# Altium PCB waffling80-ALPS-north.PcbDoc (part 1 of 3) (continued)
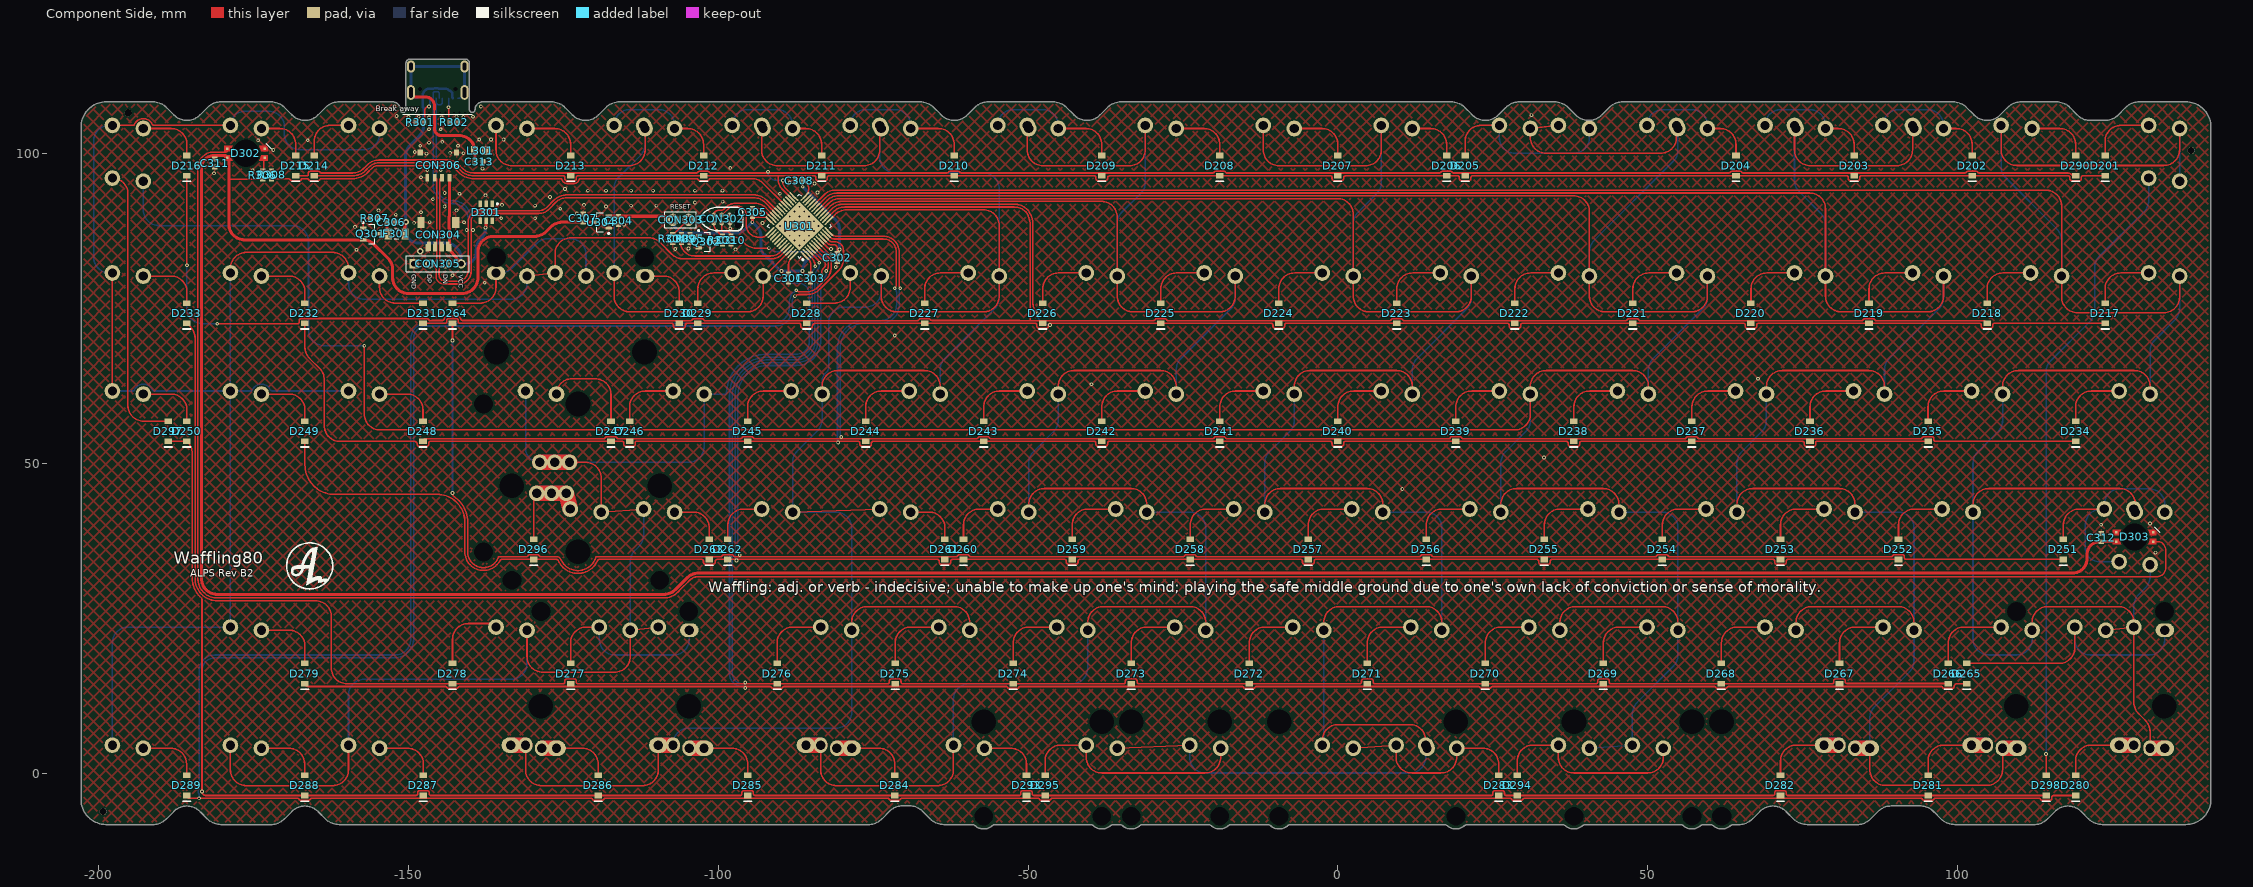
[diagram p0: Component Side view]
## Components (designator, comment, footprint, x,y, rotation, side; value= is the part's Value field where it differs from the comment) (continued)
S203_1 "MX" Alps-switch#1 76.199,100.012 r180 bottom locked
S204 "MX" "Alps-switch - switched pol" 52.387,100.012 r180 bottom locked
S204_1 "MX" Alps-switch#1 57.149,100.012 r180 bottom locked
S205 "MX" "Alps-switch - switched pol" 28.574,100.012 r180 bottom locked
S205_1 "MX" Alps-switch#1 38.099,100.012 r180 bottom locked
S206 "MX" Alps-switch#1 9.524,100.012 r180 bottom locked
S207 "MX" Alps-switch#1 -9.526,100.012 r180 bottom locked
S208 "MX" Alps-switch#1 -28.576,100.012 r180 bottom locked
S209 "MX" "Alps-switch - switched pol" -52.389,100.012 r180 bottom locked
S209_1 "MX" Alps-switch#1 -47.626,100.012 r180 bottom locked
S210 "MX" Alps-switch#1 -71.439,100.012 r180 bottom locked
S210_1 "MX" "Alps-switch - switched pol" -76.201,100.012 r180 bottom locked
S211 "MX" Alps-switch#1 -90.489,100.012 r180 bottom locked
S211_1 "MX" "Alps-switch - switched pol" -95.251,100.012 r180 bottom locked
S212 "MX" Alps-switch#1 -109.539,100.012 r180 bottom locked
S212_1 "MX" "Alps-switch - switched pol" -114.301,100.012 r180 bottom locked
S213 "MX" Alps-switch#1 -133.351,100.012 r180 bottom locked
S214 "MX" "Alps-switch - switched pol" -157.162,100.012 r180 bottom
S215 "MX" Alps-switch#1 -176.213,100.012 r180 bottom locked
S216 "MX" Alps-switch#1 -195.262,100.012 r180 bottom
S217 "MX" "Alps-switch - switched pol" 133.349,76.2 r180 bottom locked
S218 "MX" "Alps-switch - switched pol" 114.299,76.2 r180 bottom locked
S219 "MX" "Alps-switch - switched pol" 95.249,76.2 r180 bottom locked
S220 "MX" "Alps-switch - switched pol" 76.199,76.2 r180 bottom locked
S221 "MX" "Alps-switch - switched pol" 57.149,76.2 r180 bottom locked
S222 "MX" "Alps-switch - switched pol" 38.099,76.2 r180 bottom locked
S223 "MX" "Alps-switch - switched pol" 19.049,76.2 r180 bottom locked
S224 "MX" "Alps-switch - switched pol" -0.001,76.2 r180 bottom locked
S225 "MX" "Alps-switch - switched pol" -19.051,76.2 r180 bottom locked
S226 "MX" "Alps-switch - switched pol" -38.101,76.2 r180 bottom locked
S227 "MX" "Alps-switch - switched pol" -57.151,76.2 r180 bottom locked
S228 "MX" "Alps-switch - switched pol" -76.201,76.2 r180 bottom locked
S229 "MX" "Alps-switch - switched pol" -95.251,76.2 r180 bottom locked
S230 "MX" Alps-switch#2 -114.301,76.2 r180 bottom locked
S231 "MX" Alps-switch#1 -157.162,76.2 r180 bottom locked
S232 "MX" Alps-switch#1 -176.213,76.2 r180 bottom locked
S233 "MX" Alps-switch#1 -195.262,76.2 r180 bottom locked
S234 "MX" "Alps-switch - switched pol" 128.587,57.15 r180 bottom locked
S235 "MX" "Alps-switch - switched pol" 104.774,57.15 r180 bottom locked
S236 "MX" "Alps-switch - switched pol" 85.724,57.15 r180 bottom locked
S237 "MX" "Alps-switch - switched pol" 66.674,57.15 r180 bottom locked
S238 "MX" "Alps-switch - switched pol" 47.624,57.15 r180 bottom locked
S239 "MX" "Alps-switch - switched pol" 28.574,57.15 r180 bottom locked
S240 "MX" "Alps-switch - switched pol" 9.524,57.15 r180 bottom locked
S241 "MX" "Alps-switch - switched pol" -9.526,57.15 r180 bottom locked
S242 "MX" "Alps-switch - switched pol" -28.576,57.15 r180 bottom locked
S243 "MX" "Alps-switch - switched pol" -47.626,57.15 r180 bottom locked
S244 "MX" "Alps-switch - switched pol" -66.676,57.15 r180 bottom locked
S245 "MX" "Alps-switch - switched pol" -85.726,57.15 r180 bottom locked
S246 "MX" "Alps-switch - switched pol" -104.776,57.15 r180 bottom locked
S247 "MX" Alps-switch#1 -128.588,57.15 r180 bottom locked
S248 "MX" Alps-switch#1 -157.162,57.15 r180 bottom locked
S249 "MX" Alps-switch#1 -176.213,57.15 r180 bottom locked
S250 "MX" Alps-switch#1 -195.262,57.15 r180 bottom locked
S251 "MX" "ALPS-switch - CAPS" 126.206,38.1 r180 bottom
S252 "MX" "Alps-switch - switched pol" 100.012,38.1 r180 bottom locked
S253 "MX" "Alps-switch - switched pol" 80.962,38.1 r180 bottom locked
S254 "MX" "Alps-switch - switched pol" 61.912,38.1 r180 bottom locked
S255 "MX" "Alps-switch - switched pol" 42.862,38.1 r180 bottom locked
S256 "MX" "Alps-switch - switched pol" 23.812,38.1 r180 bottom locked
S257 "MX" "Alps-switch - switched pol" 4.762,38.1 r180 bottom locked
S258 "MX" "Alps-switch - switched pol" -14.288,38.1 r180 bottom locked
S259 "MX" "Alps-switch - switched pol" -33.338,38.1 r180 bottom locked
S260 "MX" "Alps-switch - switched pol" -52.388,38.1 r180 bottom locked
S261 "MX" Alps-switch#1 -71.438,38.1 r180 bottom locked
S262 "MX" "Alps-switch - switched pol" -90.488,38.1 r180 bottom locked
S263 "MX" Alps-switch#1 -109.538,38.1 r180 bottom locked
S264 "MX" "ALPS-switch - backspace" -123.826,76.2 r180 bottom locked
S265 "MX" "ALPS-switch - Left shift v2" 121.443,19.05 r180 bottom locked
S266 "MX" "Alps-switch - switched pol" 109.539,19.05 r180 bottom locked
S267 "MX" "Alps-switch - switched pol" 90.487,19.05 r180 bottom locked
S268 "MX" "Alps-switch - switched pol" 71.437,19.05 r180 bottom locked
S269 "MX" "Alps-switch - switched pol" 52.387,19.05 r180 bottom locked
S270 "MX" "Alps-switch - switched pol" 33.337,19.05 r180 bottom locked
S271 "MX" "Alps-switch - switched pol" 14.287,19.05 r180 bottom locked
S272 "MX" "Alps-switch - switched pol" -4.763,19.05 r180 bottom locked
S273 "MX" "Alps-switch - switched pol" -23.813,19.05 r180 bottom locked
S274 "MX" "Alps-switch - switched pol" -42.862,19.05 r180 bottom locked
S275 "MX" "Alps-switch - switched pol" -61.913,19.05 r180 bottom locked
S276 "MX" "Alps-switch - switched pol" -80.963,19.05 r180 bottom locked
S277 "MX" "ALPS-switch - right shift - stabs" -116.682,19.05 r180 bottom locked
S278 "MX" "Alps-switch - switched pol" -133.351,19.05 r180 bottom locked
S279 "MX" Alps-switch#1 -176.213,19.05 r180 bottom locked
S280 "MX" "ALPS-switch - 1.5u MOD-L" 128.587,0 r180 bottom locked
S281 "MX" "ALPS-switch - L_WIN - V3" 104.775,0 r180 bottom
S282 "MX" "ALPS-SWITCH - L_ALT - V3" 80.962,0 r180 bottom
S283 "MX" "ALPS-switch - Space_V3" 0,0 r180 bottom locked
S284 "MX" "ALPS-SWITCH - R_ALT - V3" -80.962,0 r180 bottom
S285 "MX" "ALPS-switch - R_WIN V3" -104.775,0 r180 bottom
S286 "MX" "ALPS-switch - 1.5u MOD-R" -128.588,0 r180 bottom locked
S287 "MX" Alps-switch#1 -157.162,0 r180 bottom locked
S288 "MX" Alps-switch#1 -176.213,0 r180 bottom locked
S289 "MX" Alps-switch#1 -195.262,0 r180 bottom locked
S290 "MX" Alps-switch#1 109.537,100.012 r180 bottom locked
S293 "MX" Alps-switch#1 -59.532,0 r180 bottom locked
S294 "MX" "ALPS-switch - 3U - rotated stab" 38.1,0 r180 bottom locked
S294_1 "MX" "ALPS-switch - 2.25U - rotated stab" 50.038,0 r180 bottom locked
S295 "MX" "ALPS-switch - 3U - rotated stab" -38.1,0 r180 bottom locked
S295_1 "MX" "ALPS-switch - 2.75U - Rotated stab" -21.4,0 r180 bottom locked
S296 "MX" "ALPS-switch - Enter" -121.362,38.1 r180 bottom locked
S297 "MX" Alps-switch#1 -195.262,100.012 r0 bottom
S298 "MX" Alps-switch#3 133.349,100.012 r0 bottom
U301 "STM32F072/F303_LQFP48" "STM32 - COMBO 7X7MM" -86.894,88.262 r45 top locked
U304 "XC6206P332MR" SOT-23-3 -118.864,88.9 r0 top

## Footprints (in the part's own frame and the unit in brackets; to place one, negate y for a bottom-side part, rotate by r counter-clockwise, add the part's x,y. Pads: shape width x height; smd on the part's side, far side on the other; paste and mask are expansions set on the pad)
Alps-switch#1 [mm]
  round 2.54 hole 1.499 mask+0.102: 1(-2.5,4) 2(2.5,4.5)
  round 1 on Mech14: ""(0,0)
Alps-switch#2 [mm]
  oval 3x2.2 hole 1.499 mask+0.102: 1(-2.5,4)
  round 2.54 hole 1.499 mask+0.102: 2(2.5,4.5)
  round 1 on Mech14: ""(0,0)
Alps-switch#3 [mm]
  round 2.54 hole 1.5 mask+0.102: 1(-2.5,4) 2(2.5,4.5)
  round 1 on Mech14: ""(0,0)
"ALPS-switch - 1.5u MOD-L" [mm]
  oval 3x2.54 hole 1.499 mask+0.102: 1(-4.881,4) 2(2.5,4.5)
  oval 2.2x2.54 hole 1.499 mask+0.102: 1(-2.5,4) 2(0.119,4.5)
  round 1 on Mech14: ""(-2.381,0) ""(0,0)
"ALPS-switch - 1.5u MOD-R" [mm]
  oval 3x2.54 hole 1.499 mask+0.102: 1(-2.5,4) 2(4.881,4.5)
  oval 2.2x2.54 hole 1.499 mask+0.102: 1(-0.119,4) 2(2.5,4.5)
  round 1 on Mech14: ""(0,0) ""(2.381,0)
"ALPS-switch - 2.25U - rotated stab" [mil]
  round 100 hole 59 mask+4.02: 1(-98.43,157.48)
  round 100 hole 59 mask+4: 2(98.43,177.17)
  round 60 hole 120 unplated: ""(-470,-275) ""(470,-275)
  round 60 hole 157.01 unplated: ""(-470,325) ""(470,325)
  round 39.37 on Mech14: ""(0,0)
"ALPS-switch - 2.75U - Rotated stab" [mil]
  round 100 hole 59 mask+4: 1(-98.43,157.48) 2(98.43,177.17)
  round 60 hole 120 unplated: ""(-470,-275) ""(470,-275)
  round 60 hole 157.01 unplated: ""(-470,325) ""(470,325)
  round 39.37 on Mech14: ""(0,0)
"ALPS-switch - 3U - rotated stab" [mil]
  round 100 hole 59 mask+4.02: 1(-98.43,157.48) 2(98.43,177.17)
  round 60 hole 120 unplated: ""(-750,-275) ""(750,-275)
  round 60 hole 157.01 unplated: ""(-750,325) ""(750,325)
  round 39.37 on Mech14: ""(0,0)
"ALPS-switch - backspace" [mil]
  round 100 hole 59 mask+4: 1(98.43,177.17) 1(276.57,157.48) 2(-98.43,157.48)
  oval 118.11x86.61 hole 59 mask+4: 2(473.43,177.17)
  round 60 hole 157.01 unplated: ""(-470,-325) ""(470,-325)
  round 60 hole 120 unplated: ""(-470,275) ""(470,275)
  round 39.37 on Mech14: ""(0,0) ""(375,0)
"ALPS-switch - CAPS" [mm]
  round 2.54 hole 1.499 mask+0.102: 1(-7.263,4) 1(0.119,-4) 1(2.5,4.5) 2(-4.881,-4.5) 2(-2.5,4) 2(-2.262,4.5)
  round 1 on Mech14: ""(-4.763,0) ""(-2.381,0) ""(0,0)
"ALPS-switch - Enter" [mil]
  round 100 hole 59 mask+4: 1(-98.43,157.48) 1(104.28,473.62) 1(198.03,473.62) 1(291.78,473.62) 2(98.43,177.17) 2(123.97,276.77) 2(217.72,276.77) 2(311.47,276.77)
  round 60 hole 120 unplated: ""(-470,-275) ""(470,-275) ""(650.2,-94.8) ""(650.2,845.2)
  round 60 hole 157.01 unplated: ""(-470,325) ""(50.2,-94.8) ""(50.2,845.2) ""(470,325)
  round 39.37 on Mech14: ""(0,0) ""(281.45,375.2) ""(375.2,375.2) ""(468.95,375.2)
"ALPS-SWITCH - L_ALT - V3" [mm]
  oval 3x2.54 hole 1.499 mask+0.102: 1(-4.881,4) 2(2.5,4.5)
  oval 2.2x2.54 hole 1.499 mask+0.102: 1(-2.5,4) 2(0.119,4.5)
  round 1 on Mech14: ""(-2.381,0.048) ""(0,0) ""(4.763,0)
"ALPS-switch - L_WIN - V3" [mm]
  oval 3x2.54 hole 1.499 mask+0.102: 1(-4.881,4) 2(2.5,4.5)
  oval 2.2x2.54 hole 1.499 mask+0.102: 1(-2.5,4) 2(0.119,4.5)
  round 1 on Mech14: ""(-2.381,0) ""(0,0) ""(2.381,0)
"ALPS-switch - Left shift v2" [mil]
  oval 118.11x86.61 hole 59 mask+4.02: 1(-473.43,157.48)
  round 100 hole 59 mask+4.02: 1(98.43,177.17) 2(-276.57,177.17) 2(-98.43,157.48)
  round 60 hole 157.01 unplated: ""(-470,-325) ""(470,-325)
  round 60 hole 120 unplated: ""(-470,275) ""(470,275)
  round 39.37 on Mech14: ""(-375,0) ""(0,0)
"ALPS-SWITCH - R_ALT - V3" [mm]
  oval 3x2.54 hole 1.499 mask+0.102: 1(-2.5,4) 2(4.881,4.5)
  oval 2.2x2.54 hole 1.499 mask+0.102: 1(-0.119,4) 2(2.5,4.5)
  round 1 on Mech14: ""(-4.763,0) ""(0,0) ""(2.381,0)
"ALPS-switch - R_WIN V3" [mm]
  oval 3x2.54 hole 1.499 mask+0.102: 1(-2.5,4) 2(4.881,4.5)
  oval 2.2x2.54 hole 1.499 mask+0.102: 1(-0.119,4) 2(2.5,4.5)
  round 1 on Mech14: ""(-2.381,0) ""(0,0) ""(2.381,0)
"ALPS-switch - right shift - stabs" [mil]
  round 100 hole 59 mask+4: 1(-276.57,177.17) 1(-98.43,157.48) 2(98.43,177.17)
  oval 118.11x86.61 hole 59 mask+4: 2(-473.43,157.48)
  round 60 hole 157.01 unplated: ""(-470,-325) ""(470,-325)
  round 60 hole 120 unplated: ""(-470,275) ""(470,275)
  round 39.37 on Mech14: ""(-375,0) ""(0,0)
"ALPS-switch - Space_V3" [mil]
  round 100 hole 59 mask+4: 1(-754.97,157.48) 1(-370.32,177.17) 1(-98.43,157.48) 2(-567.18,157.48) 2(-558.12,177.17) 2(98.43,177.17)
  round 60 hole 120 unplated: ""(-2437.4,-275) ""(-2250,-275) ""(1499.61,-275) ""(2250,-275)
  round 60 hole 157.01 unplated: ""(-2437.4,325) ""(-2250,325) ""(1499.61,325) ""(2250,325)
  round 39.37 on Mech14: ""(-656.55,0) ""(-468.75,0) ""(0,0)
"Alps-switch - switched pol" [mm]
  round 2.54 hole 1.499 mask+0.102: 1(2.5,4.5) 2(-2.5,4)
  round 1 on Mech14: ""(0,0)
C0603[1608] [mm] "Chip Resistor, 2-Leads, Body 1,57x0,80mm, IPC Medium Density"
  rect 0.8x0.85 smd: 1(-0.65,0) 2(0.65,0)
  body extent -0.83,-0.43 0.82,0.43, height 0.5
C1206[3216] [mm]
  rect 1.2x1.8 smd: 1(-1.35,0) 2(1.35,0)
  silkscreen extent -0.35,-0.8 0.35,0.8, body extent -1.6,-0.9 1.6,0.9, height 1.2
HDR1X2 [mm] "Connector; Header; 2 Position"
  round 2 hole 0.9 mask+0.102: 1(0,0) 2(2.54,0)
  silkscreen extent -1.27,-1.27 3.81,1.27
HDR1X4 [mm] "Connector; Header; 4 Position"
  round 1.5 hole 0.9 mask+0.102: 1(0,0) 2(2.54,0) 3(5.08,0)
  rect 1.5x1.5 hole 0.9 mask+0.102: 4(7.62,0)
  silkscreen extent -1.27,-1.27 8.89,1.27
L0805 [mm] "based on Sunlord-GZ2012D101TF_C1015 datasheet"
  rect 1.16x1.47 smd: 1(-0.92,0) 2(0.92,0)
  body extent -1.15,-0.72 1.15,0.72, height 1.02
"Molex 781710004" [mm]
  rect 0.6x1.2 smd: 1(-1.8,2.2) 2(-0.6,2.2) 3(0.6,2.2) 4(1.8,2.2)
  rect 0.85x1 smd: 5(-2.94,-1.887) 5(2.94,-1.887)
  body extent -3.3,-2.05 3.3,2.48, height 1.5
R0603[1608] [mm] "Chip Resistor, 2-Leads, Body 1,57x0,80mm, IPC Medium Density"
  rect 0.8x0.85 smd: 1(-0.65,0) 2(0.65,0)
  body extent -0.83,-0.43 0.82,0.43, height 0.5
"SK6812MINI-E - shaped" [mm]
  rect 0.4x0.4 smd: 1(3,0.75) 2(3,-0.75) 3(-3,-0.75) 4(-3,0.75)
  round 1 hole 4.4 unplated: ""(0,0)
  Component Side region: -3.25,-1.195 -3.5,-0.945 -3.5,-0.304 -2.449,-0.304 -2.447,-0.304 -2.345,-0.764 -2.157,-1.195 -2.157,-1.195
  Component Side region: 2.157,-1.195 3.5,-1.195 3.5,-0.304 2.449,-0.304 2.447,-0.304 2.345,-0.764 2.157,-1.195
  Component Side region: 2.447,0.304 2.345,0.764 2.157,1.195 2.157,1.195 3.5,1.195 3.5,0.304
  Component Side region: -3.5,0.304 -3.5,1.195 -2.157,1.195 -2.345,0.764 -2.447,0.304 -2.447,0.304 -2.449,0.304
  silkscreen extent -4.06,-1.65 -3.17,-0.76, body extent -2.94,-1.4 2.94,1.4, height 0.94
SOD-123 [mm]
  rect 0.91x1.22 smd: 1(1.635,0) 2(-1.635,0)
  silkscreen extent -2.54,-0.64 -2.54,0.63, body extent -1.87,-0.85 1.88,0.85, height 1.2
SOT-23-3 [mm] "3.3v regulator, used in Windsond S2 proto 1"
  rect 1x0.55 smd: 1(1.2,-0.95) 2(1.2,0.95) 3(-1.2,0)
  silkscreen extent -0.7,-1.95 1.32,1.55, body extent -1.1,-1.5 1.45,1.5, height 1
SOT-23-6 [mm]
  rect 1x0.55 smd: 1(1.375,-0.95) 2(1.375,0) 3(1.375,0.95) 4(-1.375,0.95) 5(-1.375,0) 6(-1.375,-0.95)
  silkscreen extent -0.46,-1.93 1.5,1.55, body extent -1.47,-1.49 1.37,1.44, height 1.05
"STM32 - COMBO 7X7MM" [mm] "LQFP48, 7x7mm"
  oval 0.3x1.45 smd paste-5: 1(-2.75,-4.225) 2(-2.25,-4.225) 3(-1.75,-4.225) 4(-1.25,-4.225) 5(-0.75,-4.225) 6(-0.25,-4.225) 7(0.25,-4.225) 8(0.75,-4.225) 9(1.25,-4.225) 10(1.75,-4.225) 11(2.25,-4.225) 12(2.75,-4.225) 25(2.75,4.225) 26(2.25,4.225) 27(1.75,4.225) 28(1.25,4.225) 29(0.75,4.225) 30(0.25,4.225) 31(-0.25,4.225) 32(-0.75,4.225) 33(-1.25,4.225) 34(-1.75,4.225) 35(-2.25,4.225) 36(-2.75,4.225)
  oval 0.25x0.8 smd: 1(-2.75,-3.4) 2(-2.25,-3.4) 3(-1.75,-3.4) 4(-1.25,-3.4) 5(-0.75,-3.4) 6(-0.25,-3.4) 7(0.25,-3.4) 8(0.75,-3.4) 9(1.25,-3.4) 10(1.75,-3.4) 11(2.25,-3.4) 12(2.75,-3.4) 25(2.75,3.4) 26(2.25,3.4) 27(1.75,3.4) 28(1.25,3.4) 29(0.75,3.4) 30(0.25,3.4) 31(-0.25,3.4) 32(-0.75,3.4) 33(-1.25,3.4) 34(-1.75,3.4) 35(-2.25,3.4) 36(-2.75,3.4)
  oval 0.8x0.25 smd: 13(3.4,-2.75) 14(3.4,-2.25) 15(3.4,-1.75) 16(3.4,-1.25) 17(3.4,-0.75) 18(3.4,-0.25) 19(3.4,0.25) 20(3.4,0.75) 21(3.4,1.25) 22(3.4,1.75) 23(3.4,2.25) 24(3.4,2.75) 37(-3.4,2.75) 38(-3.4,2.25) 39(-3.4,1.75) 40(-3.4,1.25) 41(-3.4,0.75) 42(-3.4,0.25) 43(-3.4,-0.25) 44(-3.4,-0.75) 45(-3.4,-1.25) 46(-3.4,-1.75) 47(-3.4,-2.25) 48(-3.4,-2.75)
  oval 1.45x0.3 smd paste-5: 13(4.225,-2.75) 14(4.225,-2.25) 15(4.225,-1.75) 16(4.225,-1.25) 17(4.225,-0.75) 18(4.225,-0.25) 19(4.225,0.25) 20(4.225,0.75) 21(4.225,1.25) 22(4.225,1.75) 23(4.225,2.25) 24(4.225,2.75) 37(-4.225,2.75) 38(-4.225,2.25) 39(-4.225,1.75) 40(-4.225,1.25) 41(-4.225,0.75) 42(-4.225,0.25) 43(-4.225,-0.25) 44(-4.225,-0.75) 45(-4.225,-1.25) 46(-4.225,-1.75) 47(-4.225,-2.25) 48(-4.225,-2.75)
  rect 5.6x5.6 smd: 47(0,0)
  silkscreen extent -3.65,-4.35 3.65,3.65, body extent -3.52,-3.52 3.52,3.52, height 0.5
TC2030-IDC-NL [mm] "Tag-Connect 6-Pin with No Legs (PN# TC2030-IDC-NL)"
  round 0.9 hole 0.995 unplated: 0(-2.54,0) 0(2.54,-1.016) 0(2.54,1.016)
  round 0.79 smd paste-0.39: 1(-1.27,-0.635) 2(-1.27,0.635) 3(0,-0.635) 4(0,0.635) 5(1.35,-0.635) 6(1.27,0.635)
  silkscreen extent -3.43,-1.91 3.43,1.9
TYPE-C-31-M-12 [mm]
  rect 0.6x1.45 smd: A1B12(-3.25,0) A4B9(-2.45,0) B1A12(3.25,0) B4A9(2.45,0)
  rect 0.3x1.45 smd: A5(-1.25,0) A6(-0.25,0) A7(0.25,0) A8(1.25,0) B5(1.75,0) B6(0.75,0) B7(-0.75,0) B8(-1.75,0)
  oval 1x1.6 / inner oval 1x1.6 / far side oval 1.3x2 hole 0.6 slot 1.2 at 90 deg: S1(-4.32,-5.095) S1(4.32,-5.095)
  oval 1x2.1 / inner oval 1x2.1 / far side oval 1.3x2.4 hole 0.6 slot 1.7 at 90 deg: S1(-4.32,-0.915) S1(4.32,-0.915)
  round 0 hole 0.65 unplated: ""(-2.89,-1.445) ""(2.89,-1.445)
  body extent -4.48,-7.72 4.46,0.18, height 3.21
UDB_combo_JST_MOLEX [mm]
  rect 0.6x1.2 smd: 1(-1.8,2.2) 2(-0.6,2.2) 3(0.6,2.2) 4(1.8,2.2)
  rect 0.6x1.55 smd: 1(-1.5,2.021) 2(-0.5,2.021) 3(0.5,2.021) 4(1.5,2.021)
  rect 0.85x1 smd: 5(-2.94,-1.887) 5(2.94,-1.887)
  rect 1.2x1.8 smd: 5(-2.8,-1.854) 5(2.8,-1.854)
  body extent -3.01,-2.62 2.99,2.33, height 2.96

## Part data
C301 C302 C303 C304 C305 C308 C311 C312 C313: library part Cap, "Capacitor", LCSC MFG=YAGEO, LCSC Part #=C14663, MRF.Part=CC0603KRX7R9BB104, Version="0603 imperial"
C306 C309: library part Cap, "Capacitor", LCSC MFG="Samsung Electro-Mechanics", LCSC Part #=C19666, MRF.Part=CL10A475KO8NNNC, Version="0603 imperial"
C307: library part Cap, "Capacitor", LCSC MFG="Samsung Electro-Mechanics", LCSC Part #=C15849, MRF.Part=CL10A105KB8NNNC, Version="0603 imperial"
C310: library part Cap, "Capacitor", LCSC MFG="Samsung Electro-Mechanics", LCSC Part #=C1623, MRF.Part=CL10B474KA8NNNC, Version="0603 imperial"
CON301: LCSC MFG="Korean Hroparts Elec", LCSC Part #=C165948, MRF.Part=TYPE-C-31-M-12
CON302: library part "Header 3X2", "Header, 3-Pin, Dual row"
CON303: "Header, 2-Pin"
CON304: "JST for USB daughter board", LCSC MFG="JST Sales America", LCSC Part #=C160404, MRF.Part=SM04B-SRSS-TB(LF)(SN)
CON305: "Header, 4-Pin"
CON306: "JST for USB daughter board", LCSC MFG=MOLEX, LCSC Part #=C588524, MRF.Part=781710004
D201 D202 D203 D204 D205 D206 D207 D208 D209 D210 D211 D212 D213 D214 D215 D216 D217 D218 D219 D220 D221 D222 D223 D224 D225 D226 D227 D228 D229 D230 D231 D232 D233 D234 D235 D236 D237 D238 D239 D240 D241 D242 D243 D244 D245 D246 D247 D248 D249 D250 D251 D252 D253 D254 D255 D256 D257 D258 D259 D260 D261 D262 D263 D264 D265 D266 D267 D268 D269 D270 D271 D272 D273 D274 D275 D276 D277 D278 D279 D280 D281 D282 D283 D284 D285 D286 D287 D288 D289 D290 D293 D294 D295 D296 D297 D298: "Default Diode", LCSC MFG=ST(Semtech), LCSC Part #=C81598, MRF.Part=1N4148W, Version=SOD-123
D301: LCSC MFG="ProTek Devices", LCSC Part #=C85364, MRF.Part=SRV05-4-P-T7
D302 D303: LCSC MFG=TONYU, LCSC Part #=C524051, MRF.Part=DY-S352818/RGBC/6812-2T
F301: "Thermal Fuse", LCSC MFG="Shenzhen JDT Fuse", LCSC Part #=C135338, MRF.Part=ASMD1206-050
L301: LCSC MFG=Sunlord, LCSC Part #=C1015, MRF.Part=GZ2012D101TF, Version="0806 imperial"
Q301: "P-Channel Power MOSFET", LCSC MFG="Vishay Intertech", LCSC Part #=C10487, MRF.Part=SI2301CDS-T1-GE3, Version=SOT23-3
Q302: library part MOSFET-N, "N-Channel MOSFET", LCSC MFG="Changjiang Electronics Tech (CJ)", LCSC Part #=C8545, MRF.Part=2N7002
R301 R302: "Resistor", LCSC MFG="Uniroyal Elec", LCSC Part #=C23186, MRF.Part=0603WAF5101T5E, Version="0603 imperial"
R303 R304 R306 R307: "Resistor", LCSC MFG="Uniroyal Elec", LCSC Part #=C25804, MRF.Part=0603WAF1002T5E, Version="0603 imperial"
R305: "Resistor", LCSC MFG="Uniroyal Elec", LCSC Part #=C25803, MRF.Part=0603WAF1003T5E, Version="0603 imperial"
R308: "Resistor", LCSC MFG="UNI-ROYAL(Uniroyal Elec)", LCSC Part #=C23179, MRF.Part=0603WAF4700T5E, Version="0603 imperial"
S201 S202 S202_1 S203 S203_1 S204 S204_1 S205 S205_1 S206 S207 S208 S209 S209_1 S210 S210_1 S211 S211_1 S212 S212_1 S213 S214 S215 S216 S217 S218 S219 S220 S221 S222 S223 S224 S225 S226 S227 S228 S229 S230 S231 S232 S233 S235 S236 S237 S238 S239 S240 S241 S242 S243 S244 S245 S246 S247 S248 S249 S250 S251 S252 S253 S254 S255 S256 S257 S258 S259 S260 S261 S262 S263 S264 S265 S266 S267 S268 S269 S270 S271 S272 S273 S274 S275 S276 S277 S278 S279 S280 S281 S282 S283 S284 S285 S286 S287 S288 S289 S290 S293 S294 S294_1 S295 S295_1 S296 S297 S298: library part SW-PB, "Switch"
S234: library part SW-PB, "TAB"
U301: LCSC MFG=Geehy, LCSC Part #=C915660, MRF.Part=APM32F072CBT6
U304: library part "SOT23 LDO", LCSC MFG="Torex Semicon", LCSC Part #=C5446, MRF.Part=XC6206P332MR

## Free pads (board coordinates)
  round 1.152 hole 1.152 unplated paste+0.148 mask+0.148: ""(-199.264,-6.223) ""(-195.199,106.553) ""(137.703,100.455)
  round 0 hole 0.3 unplated: ""(-150.506,106.598) ""(-149.617,106.598) ""(-148.728,106.598) ""(-148.06,106.598) ""(-146.696,106.598) ""(-144.918,106.598) ""(-144.029,106.598) ""(-142.632,106.598) ""(-141.743,106.598) ""(-140.854,106.598) ""(-139.965,106.598)

## Via types
v1: diameter 0.6, hole 0.3, Component Side to Bottom Layer, tented both sides, 136 vias
v2: diameter 0.6, hole 0.3, Component Side to Bottom Layer, tented bottom, 25 vias
v3: diameter 1, hole 0.5, Component Side to Bottom Layer, tented both sides, 2 vias

## Nets (pads, with @x,y where several pads share a name; then routed paths per layer and width w, separated by ;. In a path a pad name is that pad's centre, name@x,y a point inside that pad or via, vN(x,y) a via of type N, cw(c..) or ccw(c..) an arc to the next point about the centre after c; other vN are vias at no path point)
BOOT0: C309.1 CON303.1 R304.1 U301.44 | length 23.7
  Component Side w0.254: CON303.1@-104.775,89.281 -105.398,88.658 -105.515,88.658 -107.29,86.883 R304.1@-107.315,86.883 -107.042,86.61 -106.97,86.61 -106.085,85.725 ccw(c-103.799,85.725) -103.799,83.439 -91.527,83.439 ccw(c-91.527,85.54) -90.041,84.054 ; -90.041,84.054 U301.44@-89.351,84.744
col1: S201.2 S217.2 S218.2 S234.2 S235.2 S251.2 S252.2 S265.2 S266.2 S280.1 S290.2 S298.2 U301.20 | length 514
  Component Side w0.254: U301.20@-84.437,91.78 -82.898,93.318 cw(c-81.102,91.522) -81.102,94.062 114.259,94.062 cw(c114.259,91.522) 116.799,91.522 S218.2@116.799,80.2 116.799,76.835 ccw(c119.339,76.835) 119.339,74.295 133.309,74.295 ccw(c133.309,76.835) 135.849,76.835 S217.2@135.849,80.2 ; 102.512,43.37 cw(c105.052,43.37) 105.052,45.91 126.166,45.91 cw(c126.166,43.37) 128.706,43.37 S251.2@128.706,42.1 ; S290.2@107.037,104.512 107.037,100.584 ccw(c109.577,100.584) 109.577,98.044 133.309,98.044 ccw(c133.309,100.584) 135.849,100.584 S201.2@135.849,104.012 ; 107.274,62.42 cw(c109.814,62.42) 109.814,64.96 128.547,64.96 cw(c128.547,62.42) 131.087,62.42 S234.2@131.087,61.15 ; 112.039,24.32 cw(c114.579,24.32) 114.579,26.86 125.928,26.86 cw(c125.928,24.32) 128.468,24.32 S265.2@128.468,23.55 ; S265.2@123.943,23.05 S265.2@128.468,23.55 ; S280.1@131.087,4 131.087,6.672 ccw(c128.547,6.672) 130.343,8.468 129.212,9.599 cw(c131.008,11.395) 128.468,11.395 S265.2@128.468,23.55
  Component Side w2.54: S280.1@131.268,4.001 S280.1@133.468,4
  Bottom Layer w0.254: S290.2@107.037,104.512 107.037,97.85 ccw(c109.577,97.85) 107.781,96.054 116.056,87.779 cw(c114.259,85.983) 116.799,85.983 S218.2@116.799,80.2 ; S235.2@107.274,61.15 107.274,56.892 cw(c104.734,56.892) 106.531,55.096 103.256,51.821 ccw(c105.052,50.025) 102.512,50.025 S252.2@102.512,42.1 102.512,21.59 ccw(c105.052,21.59) 105.052,19.05 109.539,19.05 ccw(c109.539,21.55) 112.039,21.55 S266.2@112.039,23.05 ; S265.2@128.468,23.55 128.468,26.959 cw(c131.008,26.959) 129.212,28.755 130.343,29.886 ccw(c128.547,31.682) 131.087,31.682 S251.2@131.087,33.6 ; S234.2@131.087,61.15 131.087,68.059 cw(c133.627,68.059) 131.831,69.855 135.106,73.13 ccw(c133.309,74.926) 135.849,74.926 S217.2@135.849,80.2 ; S298.2@135.849,95.512 S201.2@135.849,104.012
  Bottom Layer w2.54: S280.1@131.268,4.001 S280.1@133.468,4
col2: S202.2 S202_1.2 S203.2 S203_1.2 S219.2 S220.2 S236.2 S237.2 S253.2 S254.2 S267.2 S268.2 S281.1 S282.1 U301.19 | length 459.1
  Component Side w0.254: U301.19@-84.083,91.426 -82.645,92.864 cw(c-80.849,91.068) -80.849,93.608 76.159,93.608 cw(c76.159,91.068) 78.699,91.068 S220.2@78.699,80.2 78.699,76.962 ccw(c81.239,76.962) 81.239,74.422 95.209,74.422 ccw(c95.209,76.962) 97.749,76.962 S219.2@97.749,80.2 ; 64.412,43.37 cw(c66.952,43.37) 66.952,45.91 80.922,45.91 cw(c80.922,43.37) 83.462,43.37 ; 69.174,62.42 cw(c71.714,62.42) 71.714,64.96 85.684,64.96 cw(c85.684,62.42) 88.224,62.42 ; S203_1.2@73.699,104.513 73.699,100.552 ccw(c76.239,100.552) 76.239,98.012 90.209,98.012 ccw(c90.209,100.552) 92.749,100.552 S202_1.2@92.749,104.513 ; 73.937,24.32 cw(c76.477,24.32) 76.477,26.86 90.447,26.86 cw(c90.447,24.32) 92.987,24.32 ; S282.1@85.844,4 85.844,0.54 ccw(c88.384,0.54) 88.384,-2 104.735,-2 ccw(c104.735,0.54) 107.275,0.54 S281.1@107.275,4
  Component Side w2.54: S282.1@83.643,4.001 S282.1@85.844,4 ; S281.1@107.456,4.001 S281.1@109.656,4
  Bottom Layer w0.254: S254.2@64.412,42.1 64.412,50.025 cw(c66.952,50.025) 65.156,51.821 68.431,55.096 ccw(c66.634,56.892) 69.174,56.892 S237.2@69.174,61.15 ; S203_1.2@73.699,104.513 73.699,95.628 ccw(c76.239,95.628) 74.443,93.832 77.956,90.319 cw(c76.159,88.523) 78.699,88.523 S220.2@78.699,80.2 ; S253.2@83.462,42.1 90.447,42.1 cw(c90.447,39.56) 92.987,39.56 S267.2@92.987,23.05 92.987,18.093 cw(c90.447,18.093) 92.243,16.297 86.588,10.642 ccw(c88.384,8.846) 85.844,8.846 S282.1@85.844,4 ; S236.2@88.224,61.15 88.224,65.074 cw(c90.764,65.074) 88.968,66.87 97.006,74.908 ccw(c95.209,76.704) 97.749,76.704 S219.2@97.749,80.2
  Bottom Layer w2.54: S282.1@83.643,4.001 S282.1@85.844,4 ; S281.1@107.455,4.001 S281.1@109.656,4